# KiCad board mainboard.kicad_pcb (continued)
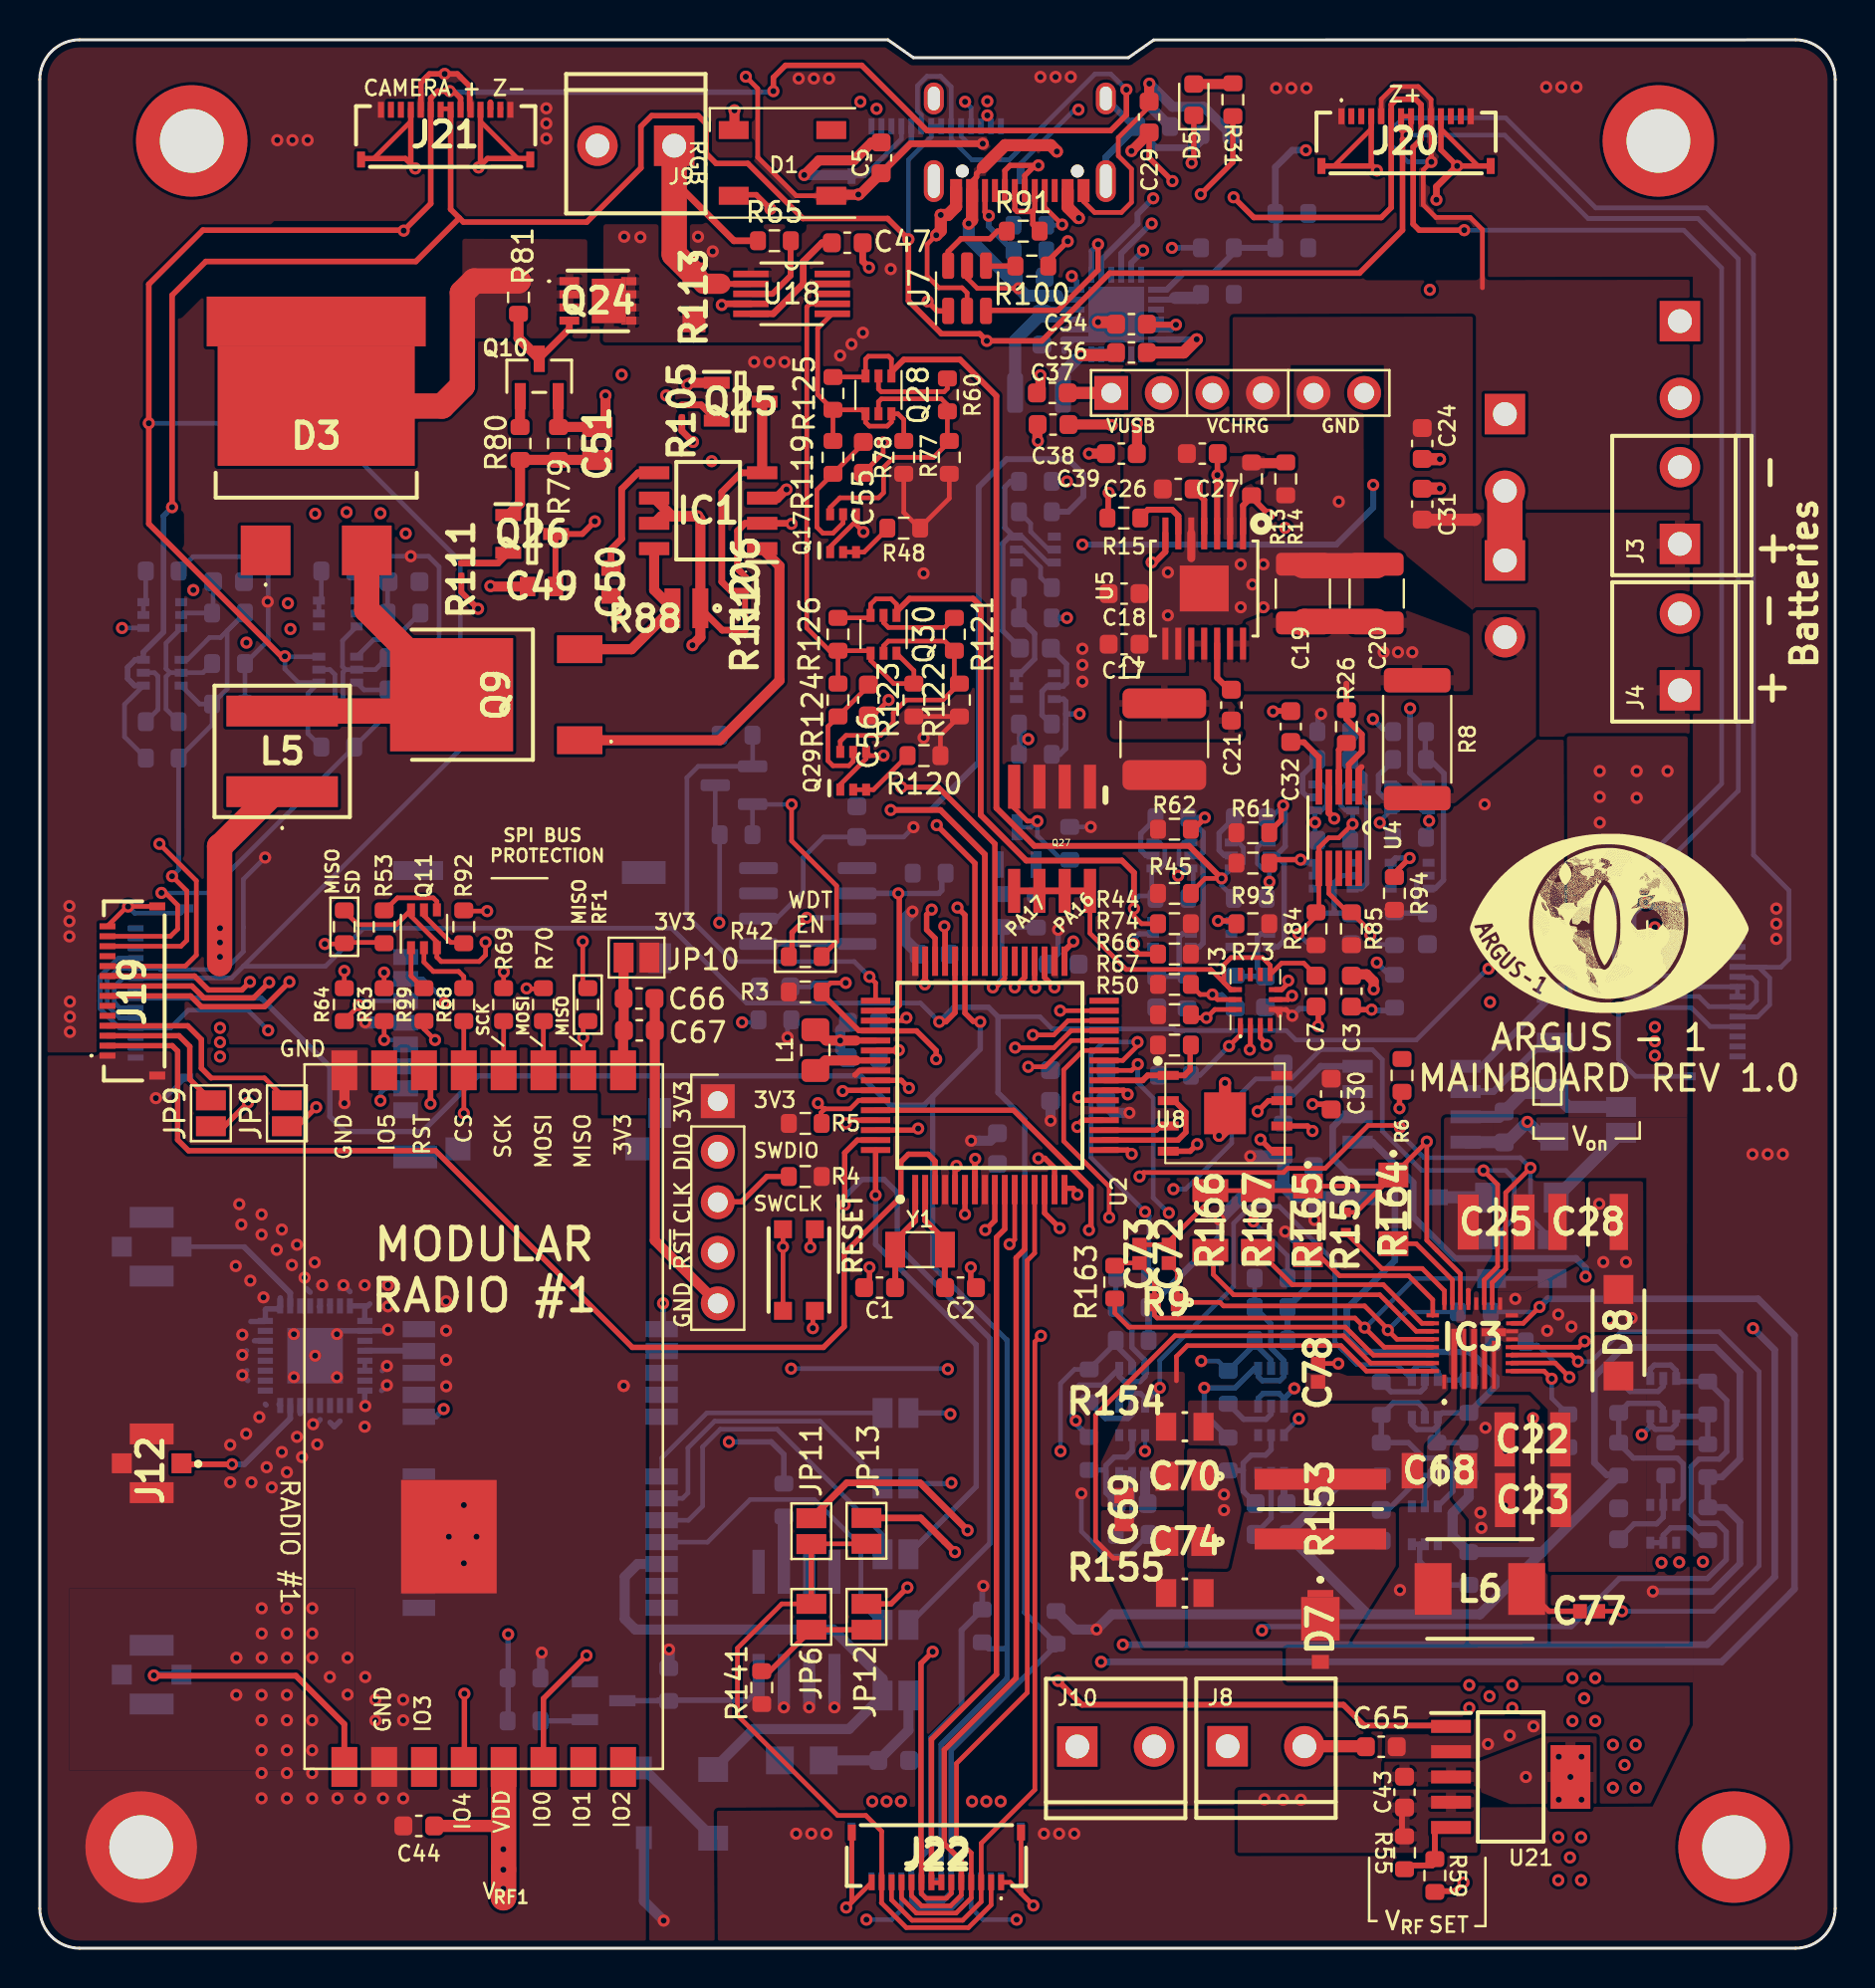
[diagram p0: board, top side]
## Placement (name value [footprint] x y rotation side) (continued)
R158  200k 1/4W  [RCC0805_e3]  75.96 34.62 270 bottom
R159  ERJ-2RKF6982X  [ERJ2RKD1004X]  65.6 36.46 270 top
R160  10K  [R_0603_1608Metric]  72.05 31.97 180 bottom
R161  10K  [R_0603_1608Metric]  76.75 26 270 bottom
R162  10K  [R_0603_1608Metric]  73.8 30.47 180 bottom
R163  10K  [R_0603_1608Metric]  53.99 33.46 90 top
R164  69.8k 1/4W  [ERA8KEB1004V]  67.98 37.12 270 top
R165  69.8k 1/4W  [ERA8KEB1004V]  63.69 36.56 270 top
R166  178k 1/4W  [RESC3216X50N]  58.79 36.56 270 top
R167  86.6k 1/4W  [RESC3216X70N]  61.18 36.56 270 top
SW1  KMR231NG LFS  [BTN_KMR2_4.6X2.8]  38.13 34.07 90 top
U1  MAX706RESA+  [SOIC-8_3.9x4.9mm_P1.27mm]  38.57 52.36 0 bottom
U2  ATSAMD51J19A-AU  [QFP50P1200X1200X120-64N]  47.71 43.85 90 top
U3  -  [BMX160]  61.05 47.66 270 top
U4  -  [ADM1176-1ARMZ-R7]  65.24 56.3 270 top
U5  TPS54226PWPRPWP14_2P31X2P46-L  [PWP14_2P31X2P46-L]  58.48 68.32 270 top
U7  USBLC6-2SC6  [SOT-23-6]  46.57 83.4 90 top
U8  MR25H40MDF  [SON127P600X500X90-9N]  59.52 41.95 0 top
U13  EP2W+  [QFN32-5X5MM]  13.83 29.77 180 bottom
U14  S1216V8  [S1216_24PIN_PACKAGE]  24.88 24.72 180 bottom
U17  BQ25883RGER  [QFN50P400X400X100-25N-D]  54.06 82.08 270 bottom
U18  -  [ADM1176-1ARMZ-R7]  37.76 83.12 0 top
U21  -  [TPS7A4501DCQT]  73.87 8.6 0 top
U23  RFM98PW  [RFM95PW]  22.79 26.71 270 top
Y1  32.768kHz  [Crystal_SMD_3215-2Pin_3.2x1.5mm]  44.21 35.1 180 top
Y2  32.768kHz/7pF  [Crystal_SMD_MicroCrystal_CC7V-T1A-2Pin_3.2x1.5mm]  76.09 46.75 270 bottom

## Library data of the parts
C1 C2 = -: Description: 8pF +-0.25pF 50V C0G 0603
C3 C5 C7 C9-C11 C21 C30 = -: Description: 0.1uF +-10% 50V X7R 0603
C4 C12 C13 C15 C27 C54 C60 C67 = -: Description: 1uF 0603 X7R
C6 C24 C29 C31-C39 C43-C45 C47 C52 C62 C63 = -: Description: Unpolarized capacitor, small symbol
C8 C40-C42 C46 C48 C55-C58 C61 C64 = -: Description: Unpolarized capacitor
C14 C16 C65 C66 = -: Description: 10uF +-20% 10V X5R
C17 C18 = -: Description: 22uF +-20% 10V X5R
C19 C20 = -: Description: 100uF 16V X5R 1210
C22 C23 = -: Description: Multilayer Ceramic Capacitors MLCC - SMD/SMT 25V 47uF X5R 1210 0.2; Height: 2.79; Manufacturer_Name: AVX; Manufacturer_Part_Number: 12103D476MAT2A; Mouser Part Number: 581-12103D476MAT2A; Mouser Price/Stock: https://www.mouser.co.uk/ProductDetail/AVX/12103D476MAT2A/?qs=%252BdQmOuGyFcHWMFj71FcIUw%3D%3D
C25 = -: Description: Multilayer Ceramic Capacitors MLCC - SMD/SMT 1.0uF 25volts X7R 10%; Arrow Part Number: VJ1210Y105KXXAT; Arrow Price/Stock: https://www.arrow.com/en/products/vj1210y105kxxat/vishay?region=nac; Height: 1.7; Manufacturer_Name: Vishay; Manufacturer_Part_Number: VJ1210Y105KXXAT; Mouser Part Number: 77-VJ1210Y105KXXAT; Mouser Price/Stock: https://www.mouser.com/Search/Refine.aspx?Keyword=77-VJ1210Y105KXXAT
C26 = -: Description: 3.3nF +-10% 100V X7R 0603
C28 = -: Description: MULTILAYER CERAMIC CHIP CAPACITORS, 3225, Commercial grade, general (Up to 75V); Arrow Part Number: C3225X7R1E106K250AC; Arrow Price/Stock: https://www.arrow.com/en/products/c3225x7r1e106k250ac/tdk?region=nac; Height: 2.3; Manufacturer_Name: TDK; Manufacturer_Part_Number: C3225X7R1E106K250AC; Mouser Part Number: 810-C3225X7R1E106K; Mouser Price/Stock: https://www.mouser.co.uk/ProductDetail/TDK/C3225X7R1E106K250AC?qs=NRhsANhppD%252BZDIBkEihAAQ%3D%3D
C49 C50 = -: Description: SMD COTS X7R, Ceramic, 0.1 uF, 10%, 25 VDC, 62.5 VDC, 125C, -55C, X7R, SMD, MLCC, COTS, Temperature Stable, Class II, 3.5 % , 5 GOhms, 4.8 mg, 0603, 1.6mm, 0.8mm, 0.8mm, 0.7mm, 0.35mm, 4000, 78  Weeks, 80; Height: 0.87; Manufacturer_Name: KEMET; Manufacturer_Part_Number: C0603T104K3RACTU; Mouser Part Number: 80-C0603T104K3R; Mouser Price/Stock: https://www.mouser.co.uk/ProductDetail/KEMET/C0603T104K3RACTU?qs=w3%252Bcv6FlocpVW%2FqNvg6pbg%3D%3D
C51 = -: Description: General Multilayer Ceramic Capacitors; Height: 1.5; Manufacturer_Name: SAMSUNG; Manufacturer_Part_Number: CL31A107MPKNNWE; Mouser Part Number: 187-CL31A107MPKNNWE; Mouser Price/Stock: https://www.mouser.co.uk/ProductDetail/Samsung-Electro-Mechanics/CL31A107MPKNNWE?qs=Jm2GQyTW%2FbiZr8a%2Fkozi8w%3D%3D
C53 C59 = -: Description: Supercapacitors / Ultracapacitors Reflow EDLC 3.3V, 11mF, 160 Ohm; Height: 1; Manufacturer_Name: Seiko Epson Corporation; Mouser Part Number: 628-CPH3225A; Mouser Price/Stock: https://www.mouser.com/Search/Refine.aspx?Keyword=628-CPH3225A
C68 = -: Description: Multilayer Ceramic Capacitors MLCC - SMD/SMT 50V 10uF X5R 1206 10% Medical; Height: 1.8; Manufacturer_Name: TAIYO YUDEN; Manufacturer_Part_Number: MLASU31LBB5106KTNA01
C69 = -: Description: Multilayer Ceramic Capacitors MLCC - SMD/SMT 10V 0.1uF X7R 0603 10%; Height: 0.87; Manufacturer_Name: KEMET; Manufacturer_Part_Number: C0603T104K8RAC7867; Mouser Part Number: 80-C0603T104K8RACTU; Mouser Price/Stock: https://www.mouser.co.uk/ProductDetail/KEMET/C0603T104K8RAC7867/?qs=u16ybLDytRacEvii9M2jow%3D%3D
C70 C74 = -: Description: SMD Comm C0G SnPb, Ceramic, 0.015 uF, 1%, 50 VDC, 125 VDC, 125C, -55C, C0G, SMD, MLCC, Ultra-Stable, Low Loss, Class I, 0.1 % , 66.6667 GOhms, 13 mg, 0805, 2mm, 1.25mm, 0.9mm, 0.75mm, 0.5mm, 4000, 78  Weeks, 120; Arrow Part Number: C0805C153F5GALTU; Arrow Price/Stock: https://www.arrow.com/en/products/c0805c153f5galtu/kemet-corporation; Height: 1.1; Manufacturer_Name: KEMET; Manufacturer_Part_Number: C0805C153F5GALTU; Mouser Part Number: 80-C0805C153F5GALTU; Mouser Price/Stock: https://www.mouser.co.uk/ProductDetail/KEMET/C0805C153F5GALTU?qs=gt1LBUVyoHmDpEx2HTgrhw%3D%3D
C72 C73 = -: Description: KYOCERA AVX - KAM05CT70J475KH - SMD Multilayer Ceramic Capacitor, 4.7 F, 6.3 V, 0402 [1005 Metric], +/- 10%, X7T; Height: 0.8; Manufacturer_Name: KYOCERA; Manufacturer_Part_Number: KAM05CT70J475KH
C77 C78 = -: Description: 10 F +/-20% 10V Ceramic Capacitor X5R 0402 (1005 Metric); Height: 0.7; Manufacturer_Name: Murata Electronics; Manufacturer_Part_Number: GRT155R61A106ME13J; Mouser Part Number: 81-GRT155R61A16ME13J; Mouser Price/Stock: https://www.mouser.co.uk/ProductDetail/Murata-Electronics/GRT155R61A106ME13J?qs=ulEaXIWI0c9RhX1WjOC5Jg%3D%3D
D1 = -: Description: RGB LED with integrated controller; Flight: WS2812B-B; Manufacturer_Name: Worldsemi; Manufacturer_Part_Number: WS2812B-B; Proto: WS2812B-B; Field8: 1
D3 = -: Description: 40V, 30A, TO-263S (D2PAK), Schottky Barrier Diode; Manufacturer_Name: ROHM Semiconductor; Mouser Part Number: 755-RB225NS-40TL; Mouser Price/Stock: https://www.mouser.co.uk/ProductDetail/ROHM-Semiconductor/RB225NS-40TL?qs=IsRgwgmxh6%2FAPCsbIbPZ2w%3D%3D
D4 D6 = -: Description: 0.5A 40V Schottky Rectifier, MBR0540T1G ON Semiconductor MBR0540T1G Schottky Diode, 0.5A, 40V, 2-Pin SOD-123; Height: 1.35; Manufacturer_Name: onsemi; Mouser Part Number: 863-MBR0540T1G; Mouser Price/Stock: https://www.mouser.co.uk/ProductDetail/onsemi/MBR0540T1G?qs=3JMERSakebqeY0cO5%252BUPCQ%3D%3D
D5 = -: Description: Light emitting diode; Flight: LTST-C190KGKT; Manufacturer_Name: Lite-On Inc.; Manufacturer_Part_Number: LTST-C190KGKT; Proto: LTST-C190KGKT
D7 = -: Description: Schottky Diodes & Rectifiers 2A, 150V, DFN3820A TRENCH SKY RECT.; Height: 0.98; Manufacturer_Name: Vishay; Manufacturer_Part_Number: V2NM153-M3/I
D8 = -: Description: Vishay 45V 5A, Diode, 2-Pin DO-221AC VSSAF5L45-M3/6A Surface Mount Trench MOS Barrier Schottky Rectifier; Arrow Part Number: VSSAF5L45-M3/6A; Arrow Price/Stock: https://www.arrow.com/en/products/vssaf5l45-m36a/vishay?region=nac; Height: 1; Manufacturer_Name: Vishay; Manufacturer_Part_Number: VSSAF5L45-M3/6A; Mouser Part Number: 78-VSSAF5L45-M3/6A; Mouser Price/Stock: https://www.mouser.co.uk/ProductDetail/Vishay-General-Semiconductor/VSSAF5L45-M3-6A?qs=Iw4yrWgHDBMXMm5U0El1GQ%3D%3D
H1-H4 = -: Description: Mounting Hole with connection; DNI: DNI
IC1 = -: Description: High-Efficiency Step-Up DC-DC Controller; Height: 1.75; Manufacturer_Name: Analog Devices; Mouser Part Number: 700-MAX1771ESA; Mouser Price/Stock: https://www.mouser.co.uk/ProductDetail/Maxim-Integrated/MAX1771ESA%2b?qs=1THa7WoU59EgQuAJ5SR28Q%3D%3D
IC2 = -: Description: NXP - PCF8523T/1,118 - REAL TIME CLOCK/CALENDAR, I2C, SOIC-8; Height: 1.75; Manufacturer_Name: NXP; Manufacturer_Part_Number: PCF8523T/1,118; Mouser Part Number: 771-PCF8523T/1118; Mouser Price/Stock: https://www.mouser.co.uk/ProductDetail/NXP-Semiconductors/PCF8523T-1118?qs=beN0Cyoe8YmmXShRMIPCwg%3D%3D
IC3 = -: Description: 25VIN, 3AOUT to 6AOUT, USB-C Buck-Boost Charger with Integrated FETs for 2S/3S Li-Ion Batteries; Arrow Price/Stock: https://www.arrow.com/en/products/max77961befv12/maxim-integrated?region=nac; Height: 0.6; Manufacturer_Name: Analog Devices; Mouser Part Number: 700-MAX77961BEFV12+; Mouser Price/Stock: https://www.mouser.co.uk/ProductDetail/Analog-Devices-Maxim-Integrated/MAX77961BEFV12%2b?qs=e8oIoAS2J1TOWSxVOtBJRw%3D%3D
J1 = -: Description: Molex microSD Card Socket; Flight: 5031821852; Manufacturer_Name: Molex; Manufacturer_Part_Number: 5031821852; Proto: 5031821852
J2 = -: Description: Generic connector, single row, 01x05, script generated (kicad-library-utils/schlib/autogen/connector/); DNI: DNI
J3 J4 J8-J10 J16-J18 = -: Description: 2-pin Screw Terminal - Side Entry; Manufacturer_Name: Phoenix Contact
J5 J6 J15 J19-J23 = -: Description: Flex Connector, P=0.50mm, H=1.00mm, Right angle orientation, Flip type, ZIF, Double contact, point 14P; Height: 1.12; Manufacturer_Name: Amphenol Communications Solutions
J7 J11 J12 = -: Description: Micro Coaxial Receptacle,Vertical Molex Female Surface Mount Coaxial Socket, Solder Termination; Manufacturer_Name: Molex; Mouser Part Number: 538-73412-0114; Mouser Price/Stock: https://www.mouser.co.uk/ProductDetail/Molex/73412-0114?qs=TpUtqFO9vU%252Ba9r2SfxH4iw%3D%3D
J13 = -: Description: USB Type-C Connector - Single sided; Flight: U262-161N-4BVC11; Manufacturer_Name: XKB Connectivity; Manufacturer_Part_Number: U262-161N-4BVC11; Proto: U262-161N-4BVC11
J14 = -: Description: Generic connector, single row, 01x06, script generated (kicad-library-utils/schlib/autogen/connector/); DNI: DNI
JP1-JP13 = -: Description: Solder Jumper, 2-pole, open
L1 = -: Description: 10uH Unshielded 0805; Flight: MGFL2012F100MT-LF; Manufacturer_Name: MicroGate; Manufacturer_Part_Number: MGFL2012F100MT-LF; Proto: MGFL2012F100MT-LF
L2 = -: Description: Inductor; Flight: SPM5030T-3R3M-HZ; Manufacturer_Name: TAI-TECH; Manufacturer_Part_Number: HPC5040NF-3R3MTH; Proto: HPC5040NF-3R3MTH
L4 = -: Description: Inductor; Flight: DFE252012F-1R0M; Manufacturer_Name: Prosperity Dielectrics; Manufacturer_Part_Number: MCS25GD-1R0MMP; Proto: MCS25GD-1R0MMP
L5 = -: Description: Power Inductors - SMD 22uH 5A 20% DCR=60.63mOhms; Height: 6; Manufacturer_Name: Pulse Electronics; Manufacturer_Part_Number: PA5432.223NLT; Mouser Part Number: 673-PA5432.223NLT; Mouser Price/Stock: https://www.mouser.co.uk/ProductDetail/Pulse-Electronics/PA5432.223NLT?qs=pUKx8fyJudD0Br41f2NXvA%3D%3D
L6 = -: Description: KEMET, MPX, Power, 1.5 uH, 20%, 155C, -55C, 0530(2120), 8.6 A, 17.7 mOhms, 45 MHz, 2500, 5.3mm, 5.5mm, 5mm, 5.2mm, 3mm, 3mm; Arrow Part Number: MPX1D0530L1R5; Arrow Price/Stock: https://www.arrow.com/en/products/mpx1d0530l1r5/kemet-corporation; Height: 3; Manufacturer_Name: KEMET; Manufacturer_Part_Number: MPX1D0530L1R5; Mouser Part Number: 80-MPX1D0530L1R5; Mouser Price/Stock: https://www.mouser.com/Search/Refine.aspx?Keyword=80-MPX1D0530L1R5
Q1 = -: Description: Single N-Channel MOSFET; Manufacturer_Name: Infineon Technologies; Manufacturer_Part_Number: IRLML2803TRPbF; Proto: 2302; Field8: REF**
Q2 Q3 Q5 Q7 Q8 Q15 Q16 Q20 Q28 Q30 Q32 Q34 Q35 Q37 = -: Description: 600mA IC, 40V Vce, Dual NPN/NPN Transistors, SOT-363; Flight: MBT2222ADW1T1G; Manufacturer_Name: ON Semiconductor; Manufacturer_Part_Number: MBT2222ADW1T1G; Proto: MBT2222ADW1T1G
Q4 Q6 Q12 Q13 Q17-Q19 Q23 Q29 Q31 Q33 Q36 = -: Description: Dual N-Channel MOSFET - 2NMOS; Manufacturer_Name: Diodes Incorporated
Q9 = -: Description: MOSFET N-CHANNEL 400V; Height: 2.52; Manufacturer_Name: Vishay; Mouser Part Number: 78-IRFR320TRPBF-BE3; Mouser Price/Stock: https://www.mouser.co.uk/ProductDetail/Vishay-Semiconductors/IRFR320TRPBF-BE3?qs=TCDPyi3sCW35%2Ff7twG6d5A%3D%3D
Q10 Q21 = -: Description: Single N-Channel MOSFET; Manufacturer_Name: Infineon Technologies; Manufacturer_Part_Number: IRLML2803TRPbF; Proto: 2302
Q11 = -: Description: 600mA IC, 60V Vce, Dual PNP/PNP Transistors, SOT-363; Flight: MMDT2907AQ-7-F; Manufacturer_Name: Diodes Incorporated; Manufacturer_Part_Number: MMDT2907AQ-7-F; Proto: MMDT2907A
Q14 = -: Description: 1.2A Id, 60V Vds, 480mOhm Rds, N-Channel HEXFET Power MOSFET, SOT-23
Q22 Q27 = -: Description: P-Channel MOSFET; Manufacturer_Name: ON Semiconductor; Proto: DMP2022LSS-13
Q24 = -: Description: Automotive P-Channel 40 V (D-S) 175 C MOSFET; Height: 1.12; Manufacturer_Name: Vishay; Mouser Part Number: 78-SQS141ELNW-T1_GE3; Mouser Price/Stock: https://www.mouser.co.uk/ProductDetail/Vishay-Semiconductors/SQS141ELNW-T1_GE3?qs=t7xnP681wgUUJh1P9XVDHQ%3D%3D
Q25 Q26 = -: Description: Bipolar Transistors - BJT TRANS GP BJT NPN 6V 0.05A 3PIN; Height: 1.3; Manufacturer_Name: ROHM Semiconductor; Mouser Part Number: 755-2SC4713KT146R; Mouser Price/Stock: https://www.mouser.co.uk/ProductDetail/ROHM-Semiconductor/2SC4713KT146R?qs=IsRgwgmxh69T12rcC0HTuA%3D%3D
R1-R4 R25-R40 R42-R78 R82-R87 R89-R96 R99 R100 R102 R103 R107 R110 R119-R124 R127-R135 R138-R148 R160-R163 = -: Description: Resistor, US symbol
R5 R7 R41 = -: Description: 10k 0603
R6 = -: Description: 4.7k 0603
R8 = -: Description: 0.1 1% 2W 2512
R9 = -: Description: Anti-Sulfurated Thick Film Chip Resistors/ Anti-Surge Type, Power Rating (W): 0.25, Chip Size (LxW(EIA)) (mm): 1.6 x 0.8 (EIA:0603), Resistance Values (?): 4.7, Resistance Tolerance (%): 5, T.C.R (?102/K): ?200; Height: 0.55; Manufacturer_Name: Panasonic; Mouser Part Number: 667-ERJ-UP3J4R7V; Mouser Price/Stock: https://www.mouser.co.uk/ProductDetail/Panasonic/ERJ-UP3J4R7V/?qs=GedFDFLaBXEklpmoZH%252BTrg%3D%3D
R13 = -: Description: 73.2K 0603
R14 = -: Description: 22.1K 0603
R15 = -: Description: 100K 0603
R21 R24 R79 R114 = -: Description: 10K 0603
R22 R80 R115 = -: Description: 4.7K 0603
R23 R81 R116 = -: Description: 3.3K 0603
R88 = -: Description: High Power Chip Resistor (Wide Terminal type), 0508; Height: 0.6; Manufacturer_Name: Panasonic; Manufacturer_Part_Number: ERJ-B3CFR02V; Mouser Part Number: 667-ERJ-B3CFR02V; Mouser Price/Stock: https://www.mouser.com/Search/Refine.aspx?Keyword=667-ERJ-B3CFR02V
R97 R98 R101 R104 R108 R109 R117 R118 R125 R126 R149-R152 = -: Description: Resistor, US symbol; DNI: DNI
R105 R111 = -: Description: Series/Type: Precision Thick Film Chip Resistors, Power Rating (W): 0.05, Chip Size (LxW(EIA)) (mm): 0.6 x 0.3 (EIA:0201), Resistance Values (): 1000, Resistance Tolerance (%): 1, T.C.R (10/K): +/-200; Height: 0.26; Manufacturer_Name: Panasonic; Manufacturer_Part_Number: ERJ-1GJF1001C; Mouser Part Number: 667-ERJ-1GJF1001C; Mouser Price/Stock: https://www.mouser.co.uk/ProductDetail/Panasonic/ERJ-1GJF1001C?qs=OcgtsXO%252B3guJUjvXwXq4eA%3D%3D
R106 = -: Description: Series/Type: Precision Thick Film Chip Resistors, Power Rating (W): 0.05, Chip Size (LxW(EIA)) (mm): 0.6 x 0.3 (EIA:0201), Resistance Values (): 10000, Resistance Tolerance (%): 1, T.C.R (10/K): +/-200; Height: 0.26; Manufacturer_Name: Panasonic; Manufacturer_Part_Number: ERJ-1GJF1002C; Mouser Part Number: 667-ERJ-1GJF1002C; Mouser Price/Stock: https://www.mouser.co.uk/ProductDetail/Panasonic/ERJ-1GJF1002C?qs=OcgtsXO%252B3gveAYGlL%2Fftlw%3D%3D
R112 = -: Description: Series/Type: Thick Film Chip Resistors, Power Rating (W): -, 0.6 x 0.3 (EIA:0201), Resistance Values (): 0, Resistance Tolerance (%): -, T.C.R (10/K): -; DNI: DNI; Height: 0.26; Manufacturer_Name: Panasonic; Manufacturer_Part_Number: ERJ-1GJ0R00C; Mouser Part Number: 667-ERJ-1GJ0R00C; Mouser Price/Stock: https://www.mouser.co.uk/ProductDetail/Panasonic/ERJ-1GJ0R00C?qs=OcgtsXO%252B3gsHTMloWTpOqQ%3D%3D
R113 = -: Description: Panasonic ERJ6BW Series Thick Film Current Sensing Surface Mount Resistor 0805 Case 0.082 +/-1% 0.5W +/-200ppm/C; Manufacturer_Name: Panasonic; Manufacturer_Part_Number: ERJ-6BWFR082V; Mouser Part Number: 667-ERJ-6BWFR082V; Mouser Price/Stock: https://www.mouser.com/Search/Refine.aspx?Keyword=667-ERJ-6BWFR082V
R136 R137 = -: Description: Series/Type: Thin Film Chip Resistors, High Stability and Reliability Type, Power Rating (W): 0.25, Chip Size (LxW(EIA)) (mm): 3.2 x 1.6 (EIA:1206), Resistance Values (): 150, Resistance Tolerance (%): 0.1, T.C.R (10/K): +/-25; Height: 0.65; Manufacturer_Name: Panasonic
R153 = -: Description: Thick Film Resistors - SMD AECQ; Height: 0.7; Manufacturer_Name: ROHM Semiconductor; Manufacturer_Part_Number: LTR100LJZPFU10L0; Mouser Part Number: 755-LTR100LJZPFU10L0; Mouser Price/Stock: https://www.mouser.co.uk/ProductDetail/ROHM-Semiconductor/LTR100LJZPFU10L0?qs=A6eO%252BMLsxmSV3NnNZrRN6Q%3D%3D
R154 R155 = -: Description: RESISTOR, 0805 10 Ohm +/- 1% 0.25 W; Manufacturer_Name: Susumu; Manufacturer_Part_Number: RL1220S-100-F; Mouser Part Number: 754-RL1220S-100-F; Mouser Price/Stock: https://www.mouser.com/Search/Refine.aspx?Keyword=754-RL1220S-100-F
R157 R158 = -: Description: Medium Power Thick Film Chip Resistor, AEC-Q200, 0805; Height: 0.5; Manufacturer_Name: Vishay; Manufacturer_Part_Number: RCC0805200KFKEA; Mouser Part Number: 71-RCC0805200KFKEA; Mouser Price/Stock: https://www.mouser.co.uk/ProductDetail/Vishay-Dale/RCC0805200KFKEA?qs=GedFDFLaBXEj3YenGPhGGQ%3D%3D
R159 = -: Description: Panasonic Thick Film Resistor 69.8k 0.1W +/-100ppm/C; Arrow Price/Stock: https://www.arrow.com/en/products/erj-2rkf6982x/panasonic; Height: 0.4; Manufacturer_Name: Panasonic; Mouser Part Number: 667-ERJ-2RKF6982X; Mouser Price/Stock: https://www.mouser.co.uk/ProductDetail/Panasonic/ERJ-2RKF6982X?qs=YMBIwoNQYdWbeJt2ePn4aw%3D%3D
R164 R165 = -: Description: Series/Type: Thin Film Chip Resistors, High Stability and Reliability Type, Power Rating (W): 0.25, Chip Size (LxW(EIA)) (mm): 3.2 x 1.6 (EIA:1206), Resistance Values (): 69800, Resistance Tolerance (%): 0.05, T.C.R (10/K): +/-10; Height: 0.65; Manufacturer_Name: Panasonic; Manufacturer_Part_Number: ERA-8VRW6982V
R166 = -: Description: Thin Film Resistors - SMD 1/4W 178K Ohms 0.5% 1206 10ppm; Height: 0.5; Manufacturer_Name: Susumu; Manufacturer_Part_Number: RG3216N-1783-D-T5
R167 = -: Description: Metal Thin Film Chip Resistor, 1206, 0.25W; Height: 0.7; Manufacturer_Name: Panasonic; Manufacturer_Part_Number: ERA-8ARB8662V
SW1 = -: Description: Tactile Switch SPST-NO; Manufacturer_Name: C&K
U2 = -: Description: Microcontroller; Manufacturer_Name: Microchip Technology
U3 = -: Description: IMUs - Inertial Measurement Units 9-axis (9DOF) Absolute Orientation MEMS Sensor; Manufacturer_Name: Bosch Sensortec
U4 U18 = -: Description: Power Monitor; Manufacturer_Name: Analog Devices Inc.
U5 = -: Description: 3.3V Switching Regulator; Flight: TPS54226PWPR; Manufacturer_Name: Texas Instruments; Manufacturer_Part_Number: TPS54226PWPR; Proto: TPS54226PWPR; Field8: >Name
U7 = -: Description: Very low capacitance ESD protection diode, 2 data-line, SOT-23-6
U8 = -: Description: Non-Volatile Memory; Manufacturer_Name: Everspin Technologies Inc.; Manufacturer_Part_Number: W25Q80DVSNIG; Proto: W25Q80DVSNIG
U13 = -: Description: RF Splitter DC-Pass; DNI: DNI; Manufacturer_Name: Mini Circuits
U14 = -: Field4: >Name
U17 = -: Description: Battery Charger - USB Power Delivery; Manufacturer_Name: Texas Instruments
U21 = -: Description: Adjustable LDO; Manufacturer_Name: Texas Instruments
U23 = -: Description: 433 MHz 1W Radio; Manufacturer_Name: HopeRF; Field8: RADIO 2
Y1 = -: Description: Two pin crystal; Flight: ABS07-32.768KHZ-T; Manufacturer_Name: Abracon LLC; Manufacturer_Part_Number: SC-32S32.768kHz20PPM7pF; Proto: SC-32S32.768kHz20PPM7pF
Y2 = -: Description: Two pin crystal, small symbol

## Footprints (pads in the part's own frame, mm; a bottom-side part is the same pattern mirrored in y, then rotated)
73412-0110
  rect 1x1 smd: 1(0,-1.5) 2(0,1.5)
  rect 1.05x2.2 smd: 3(-1.475,0) 4(1.475,0)
ADM1176-1ARMZ-R7
  rect 1.778x0.33 smd: 1(-2.045,1) 2(-2.045,0.5) 3(-2.045,0) 4(-2.045,-0.5) 5(-2.045,-1) 6(2.045,-1) 7(2.045,-0.5) 8(2.045,0) 9(2.045,0.5) 10(2.045,1)
BMX160
  rect 0.675x0.25 smd: 1(1.262,-0.75) 2(1.262,-0.25) 3(1.262,0.25) 4(1.262,0.75) 8(-1.262,0.75) 9(-1.262,0.25) 10(-1.262,-0.25) 11(-1.262,-0.75)
  rect 0.25x0.675 smd: 5(0.5,1.012) 6(0,1.012) 7(-0.5,1.012) 12(-0.5,-1.012) 13(0,-1.012) 14(0.5,-1.012)
BSS138DWQ-7
  rect 0.6x0.4 smd: 1(-0.95,0.65) 2(-0.95,0) 3(-0.95,-0.65) 4(0.95,-0.65) 5(0.95,0) 6(0.95,0.65)
BTN_KMR2_4.6X2.8
  rect 0.9x0.9 smd: A(2.05,0.8) A'(-2.05,0.8) B(2.05,-0.8) B'(-2.05,-0.8)
C0805
  rect 1.15x1.45 smd: 1(-0.9,0) 2(0.9,0)
C_0603_1608Metric
  rrect 0.9x0.95 smd: 1(-0.775,0) 2(0.775,0)
C_1210_3225Metric
  rrect 1.15x2.7 smd: 1(-1.475,0) 2(1.475,0)
CAPC1005X70N
  rect 0.69x0.72 smd: 1(-0.46,0) 2(0.46,0)
CAPC1005X80N
  rect 0.69x0.72 smd: 1(-0.46,0) 2(0.46,0)
CAPC1608X87N
  rect 0.78x0.98 smd: 1(-0.7,0) 2(0.7,0)
CAPC2012X150N
  rect 1.01x1.52 smd: 1(-0.83,0) 2(0.83,0)
CAPC3216X180N
  rect 1.07x1.78 smd: 1(-1.36,0) 2(1.36,0)
CAPC3225X170N
  rect 1.06x2.77 smd: 1(-1.4,0) 2(1.4,0)
CAPC3225X230N
  rect 0.92x2.82 smd: 1(-1.54,0) 2(1.54,0)
CAPC3225X279N
  rect 1.02x2.72 smd: 1(-1.4,0) 2(1.4,0)
CPH3225A
  rect 1.4x1.4 smd: 1(-0.8,0.3) 2(1.4,0.3)
Crystal_SMD_3215-2Pin_3.2x1.5mm
  rect 1x1.8 smd: 1(1.25,0) 2(-1.25,0)
Crystal_SMD_MicroCrystal_CC7V-T1A-2Pin_3.2x1.5mm
  rect 1x1.8 smd: 1(-1.25,0) 2(1.25,0)
ERA8KEB1004V
  rect 1.25x1.5 smd: 1(-1.725,0) 2(1.725,0)
ERJ1GJJ2R4C
  rect 0.275x0.3 smd: 1(-0.313,0) 2(0.313,0)
ERJ2RKD1004X
  rect 0.475x0.5 smd: 1(-0.512,0) 2(0.512,0)
ERJ6_B_BW_R_LW_CW_D
  rect 1.15x1.15 smd: 1(-1.175,0) 2(1.175,0)
ERJB30508
  rect 0.8x2 smd: 1(-0.7,0) 2(0.7,0)
ERJUP3
  rect 0.65x0.9 smd: 1(-0.575,0) 2(0.575,0)
F3311A7H121014E200
  rect 0.3x0.8 smd: 1(-3.25,1.345) 2(-2.75,1.345) 3(-2.25,1.345) 4(-1.75,1.345) 5(-1.25,1.345) 6(-0.75,1.345) 7(-0.25,1.345) 8(0.25,1.345) 9(0.75,1.345) 10(1.25,1.345) 11(1.75,1.345) 12(2.25,1.345) 13(2.75,1.345) 14(3.25,1.345)
  rect 0.4x0.8 smd: MP1(-4.25,-1.155) MP2(4.25,-1.155)
INDPM5350X300N
  rect 1.85x2.6 smd: 1(-2.35,0) 2(2.35,0)
IRFR320TRPBFBE3
  rect 1.397x2.286 smd: 1(-2.286,-4.192) 3(2.286,-4.192)
  rect 5.69x6.18 smd: 2(0,2.243)
L_0805_2012Metric_Pad1.15x1.40mm_HandSolder
  rrect 1.15x1.4 smd: 1(-1.025,0) 2(1.025,0)
L_2141
  rrect 1.5x4.2 smd: 1(-1.8,0) 2(1.8,0)
L_2510
  rrect 0.8x2 smd: 1(-1.2,0) 2(1.2,0)
LED_0603_1608Metric
  rrect 0.875x0.95 smd: 1(-0.787,0) 2(0.787,0)
LED_WS2812B_PLCC4_5.0x5.0mm_P3.2mm
  rect 1.5x0.9 smd: 1(-2.45,1.65) 2(-2.45,-1.65) 3(2.45,-1.65) 4(2.45,1.65)
MAX77961EFV06T
  rect 0.2x0.723 smd: 1(1.411,1.938)
  rect 0.3x3.025 smd: 2(0.911,0.788) 4(-0.089,0.787)
  rect 0.2x3.025 smd: 3(0.411,0.788)
  rect 0.25x2.025 smd: 5(-0.614,1.287)
  rect 0.2x2.425 smd: 6(-1.089,1.087)
  rect 0.625x0.2 smd: 7(-1.987,1.4) 8(-1.987,1) 9(-1.987,0.6) 10(-1.987,0.2) 14(-1.987,-1.4) 23(1.987,-1.4) 24(1.987,-1) 25(1.987,-0.6) 26(1.987,-0.2) 27(1.987,0.2) 28(1.987,0.6) 29(1.987,1) 30(1.987,1.4)
  rect 0.6x0.2 smd: 11(-2,-0.2) 13(-2,-1)
  rect 0.613x0.2 smd: 12(-1.993,-0.6)
  rect 0.2x0.625 smd: 15(-1.399,-1.988) 16(-0.999,-1.988) 17(-0.599,-1.988) 18(-0.199,-1.988) 19(0.201,-1.988) 20(0.601,-1.988) 21(1.001,-1.988) 22(1.401,-1.988)
  rect 1.222x0.4 smd: 31(-1.076,-0.55)
MOLEX_503182-1852
  rect 0.8x1.24 smd: 1(-2.9,6.355) 2(-1.8,6.355) 3(-0.7,6.355) 4(0.4,6.355) 5(1.5,6.355) 6(2.6,6.355) 7(3.7,6.355) 8(4.8,6.355)
  rect 1.16x1.2 smd: DT(6.74,-5.275)
  rect 0.95x2.5 smd: P1(-7.245,5.725)
  rect 1.15x2.2 smd: P2(7.145,5.875) P3(-7.145,-5.605)
  rect 1.5x1.15 smd: P4(-2.84,-6.4) P5(4.94,-6.4)
  rect 1.16x1.25 smd: SW(6.74,3.725)
MountingHole_3.2mm_M3_DIN965_Pad
  round 5.6 hole 3.2: 1(0,0)
NDS8434
  rect 0.61x2.21 smd: 1(-1.905,-2.616) 2(-0.635,-2.616) 3(0.635,-2.616) 4(1.905,-2.616) 5(1.905,2.616) 6(0.635,2.616) 7(-0.635,2.616) 8(-1.905,2.616)
PA5432223NLT
  rect 5.6x1.55 smd: 1(0,-2.025) 2(0,2.025)
PinHeader_1x05_P2.54mm_Vertical
  rect 1.7x1.7 hole 1: 1(0,0)
  oval 1.7x1.7 hole 1: 2(0,-2.54) 3(0,-5.08) 4(0,-7.62) 5(0,-10.16)
PinHeader_1x06_P2.54mm_Vertical
  rect 1.7x1.7 hole 1: 1(0,0)
  oval 1.7x1.7 hole 1: 2(0,-2.54) 3(0,-5.08) 4(0,-7.62) 5(0,-10.16) 6(0,-12.7)
PWP14_2P31X2P46-L
  rect 1.6x0.305 smd: 1(-2.769,1.95) 2(-2.769,1.3) 3(-2.769,0.65) 4(-2.769,0) 5(-2.769,-0.65) 6(-2.769,-1.3) 7(-2.769,-1.95) 8(2.769,-1.95) 9(2.769,-1.3) 10(2.769,-0.65) 11(2.769,0) 12(2.769,0.65) 13(2.769,1.3) 14(2.769,1.95)
  rect 2.31x2.46 smd: 15(0,0)
QFN32-5X5MM
  rect 0.762x0.305 smd: 1(-2.5,1.75) 2(-2.5,1.25) 3(-2.5,0.75) 4(-2.5,0.25) 5(-2.5,-0.25) 6(-2.5,-0.75) 7(-2.5,-1.25) 8(-2.5,-1.75) 17(2.5,-1.75) 18(2.5,-1.25) 19(2.5,-0.75) 20(2.5,-0.25) 21(2.5,0.25) 22(2.5,0.75) 23(2.5,1.25) 24(2.5,1.75)
  rect 0.305x0.762 smd: 9(-1.75,-2.5) 10(-1.25,-2.5) 11(-0.75,-2.5) 12(-0.25,-2.5) 13(0.25,-2.5) 14(0.75,-2.5) 15(1.25,-2.5) 16(1.75,-2.5) 25(1.75,2.5) 26(1.25,2.5) 27(0.75,2.5) 28(0.25,2.5) 29(-0.25,2.5) 30(-0.75,2.5) 31(-1.25,2.5) 32(-1.75,2.5)
  rect 2.794x2.794 smd: EP(0,0)
QFN50P400X400X100-25N-D
  rect 0.8x0.3 smd: 1(-2,1.25) 2(-2,0.75) 3(-2,0.25) 4(-2,-0.25) 5(-2,-0.75) 6(-2,-1.25) 13(2,-1.25) 14(2,-0.75) 15(2,-0.25) 16(2,0.25) 17(2,0.75) 18(2,1.25)
  rect 0.3x0.8 smd: 7(-1.25,-2) 8(-0.75,-2) 9(-0.25,-2) 10(0.25,-2) 11(0.75,-2) 12(1.25,-2) 19(1.25,2) 20(0.75,2) 21(0.25,2) 22(-0.25,2) 23(-0.75,2) 24(-1.25,2)
  rect 2.8x2.8 smd: 25(0,0)
QFP50P1200X1200X120-64N
  rect 1.475x0.3 smd: 1(-5.738,3.75) 2(-5.738,3.25) 3(-5.738,2.75) 4(-5.738,2.25) 5(-5.738,1.75) 6(-5.738,1.25) 7(-5.738,0.75) 8(-5.738,0.25) 9(-5.738,-0.25) 10(-5.738,-0.75) 11(-5.738,-1.25) 12(-5.738,-1.75) 13(-5.738,-2.25) 14(-5.738,-2.75) 15(-5.738,-3.25) 16(-5.738,-3.75) 33(5.738,-3.75) 34(5.738,-3.25) 35(5.738,-2.75) 36(5.738,-2.25) 37(5.738,-1.75) 38(5.738,-1.25) 39(5.738,-0.75) 40(5.738,-0.25) 41(5.738,0.25) 42(5.738,0.75) 43(5.738,1.25) 44(5.738,1.75) 45(5.738,2.25) 46(5.738,2.75) 47(5.738,3.25) 48(5.738,3.75)
  rect 0.3x1.475 smd: 17(-3.75,-5.738) 18(-3.25,-5.738) 19(-2.75,-5.738) 20(-2.25,-5.738) 21(-1.75,-5.738) 22(-1.25,-5.738) 23(-0.75,-5.738) 24(-0.25,-5.738) 25(0.25,-5.738) 26(0.75,-5.738) 27(1.25,-5.738) 28(1.75,-5.738) 29(2.25,-5.738) 30(2.75,-5.738) 31(3.25,-5.738) 32(3.75,-5.738) 49(3.75,5.738) 50(3.25,5.738) 51(2.75,5.738) 52(2.25,5.738) 53(1.75,5.738) 54(1.25,5.738) 55(0.75,5.738) 56(0.25,5.738) 57(-0.25,5.738) 58(-0.75,5.738) 59(-1.25,5.738) 60(-1.75,5.738) 61(-2.25,5.738) 62(-2.75,5.738) 63(-3.25,5.738) 64(-3.75,5.738)
R_0603_1608Metric
  rrect 0.8x0.95 smd: 1(-0.825,0) 2(0.825,0)
R_2512_6332Metric
  rrect 1.225x3.35 smd: 1(-2.962,0) 2(2.962,0)
RCC0805_e3
  rect 0.95x1.45 smd: 1(-0.975,0) 2(0.975,0)
RESC2013X65N
  rect 1.016x1.397 smd: 1(-0.94,0) 2(0.94,0)
RESC3216X50N
  rect 1.15x1.8 smd: 1(-1.5,0) 2(1.5,0)
RESC3216X70N
  rect 1.15x1.7 smd: 1(-1.5,0) 2(1.5,0)
RESC3264X70N
  rect 1.05x6.6 smd: 1(-1.5,0) 2(1.5,0)
RFM95PW
  rect 2x1.3 smd: 1(17.6,-7.5) 2(17.6,-5.5) 3(17.6,-3.5) 4(17.6,-1.5) 5(17.6,0.5) 6(17.6,2.5) 7(17.6,4.5) 8(17.6,6.5) 9(-17.4,6.5) 10(-17.4,4.5) 11(-17.4,2.5) 12(-17.4,0.5) 13(-17.4,-1.5) 14(-17.4,-3.5) 15(-17.4,-5.5) 16(-17.4,-7.5)
  rect 5.7x4.8 smd: 17(6.032,-2.25)
RFN10NS3STL
  rect 2.5x2.5 smd: 1(-2.54,-5.825) 3(2.54,-5.825)
  rect 11x2.5 smd: 2(0,5.675)
  rect 9.9x6 smd: 4(0,1.425)
S1216_24PIN_PACKAGE
  rect 1.626x0.813 smd: 1(5.85,-7.62) 2(5.85,-6.52) 3(5.85,-5.42) 4(5.85,-4.32) 5(5.85,-3.22) 6(5.85,-2.12) 7(5.85,-1.02) 8(5.85,1.98) 9(5.85,3.08) 10(5.85,4.18) 11(5.85,5.28) 12(5.85,6.38) 13(-6.35,6.38) 14(-6.35,5.28) 15(-6.35,4.18) 16(-6.35,3.08) 17(-6.35,1.98) 18(-6.35,-1.02) 19(-6.35,-2.12) 20(-6.35,-3.22) 21(-6.35,-4.32) 22(-6.35,-5.42) 23(-6.35,-6.52) 24(-6.35,-7.62)
SCREWTERMINAL-3.5MM-2_LOCK
  rect 2.032x2.032 hole 1.2: 1(-0.178,0)
  round 2.032 hole 1.2: 2(3.678,0)
SE20NJM3H
  rect 2.2x1.93 smd: 1(-0.53,0)
  rect 0.7x0.86 smd: 2(1.63,0)
  rect 0.35x1.3 smd: 3(-1.805,0)
SOD3716X135N
  rect 1.15x0.8 smd: 1(-1.75,0) 2(1.75,0)
SODFL5226X100N
  rect 1.45x1.49 smd: 1(-2.175,0) 2(2.175,0)
SOIC127P600X175-8N
  rect 1.525x0.65 smd: 1(-2.712,1.905) 2(-2.712,0.635) 3(-2.712,-0.635) 4(-2.712,-1.905) 5(2.712,-1.905) 6(2.712,-0.635) 7(2.712,0.635) 8(2.712,1.905)
SOIC-8_3.9x4.9mm_P1.27mm
  rrect 1.95x0.6 smd: 1(-2.475,1.905) 2(-2.475,0.635) 3(-2.475,-0.635) 4(-2.475,-1.905) 5(2.475,-1.905) 6(2.475,-0.635) 7(2.475,0.635) 8(2.475,1.905)
SolderJumper-2_P1.3mm_Open_Pad1.0x1.5mm
  rect 1x1.5 smd: 1(-0.65,0) 2(0.65,0)
SON127P600X500X90-9N
  rect 1.05x0.45 smd: 1(-2.85,1.905) 2(-2.85,0.635) 3(-2.85,-0.635) 4(-2.85,-1.905) 5(2.85,-1.905) 6(2.85,-0.635) 7(2.85,0.635) 8(2.85,1.905)
  rect 2.1x2.1 smd: 9(0,0)
SOT95P280X130-3N
  rect 1.3x0.6 smd: 1(-1.2,0.95) 2(-1.2,-0.95) 3(1.2,0)
SOT-23
  rect 0.559x1.321 smd: 1(-0.953,-1.003) 2(0.953,-1.003) 3(0,0.876)
SOT-23#2
  rrect 1.475x0.6 smd: 1(-0.938,0.95) 2(-0.938,-0.95) 3(0.938,0)
SOT-23-6
  rrect 1.325x0.6 smd: 1(-1.137,0.95) 2(-1.137,0) 3(-1.137,-0.95) 4(1.137,-0.95) 5(1.137,0) 6(1.137,0.95)
SOT-363_SC-70-6
  rect 0.65x0.4 smd: 1(-0.95,0.65) 2(-0.95,0) 3(-0.95,-0.65) 4(0.95,-0.65) 5(0.95,0) 6(0.95,0.65)
SQS850ENT1_GE3
  rect 0.99x0.405 smd: 1(-1.435,0.99) 2(-1.435,0.33) 3(-1.435,-0.33) 4(-1.435,-0.99)
  rect 0.51x0.405 smd: 5(1.675,-0.99) 6(1.675,-0.33) 7(1.675,0.33) 8(1.675,0.99)
  rect 1.725x2.235 smd: 9(0.557,0)
  rect 0.25x0.077 smd: 10(1.295,-1.156) 11(1.295,1.156)
TPS7A4501DCQT
  rect 2x0.65 smd: 1(-3,2.54) 2(-3,1.27) 3(-3,0) 4(-3,-1.27) 5(-3,-2.54)
  rect 2x3.2 smd: 6(3,0)
USB_C_Receptacle_XKB_U262-161N-4BVC11
  round 0.65 hole 0.65 unplated: (-2.39,4.045) (3.39,4.045)
  rect 0.6x1.15 smd: A1(-2.7,5.02) A4(-1.9,5.02) A9(2.9,5.02) A12(3.7,5.02)
  rect 0.3x1.15 smd: A5(-0.75,5.02) A6(0.25,5.02) A7(0.75,5.02) A8(1.75,5.02) B5(2.25,5.02) B6(1.25,5.02) B7(-0.25,5.02) B8(-1.25,5.02)
  oval 1x2.1 hole 0.6x1.7: S1(-3.82,4.545) S1(4.82,4.545)
  oval 1x1.6 hole 0.6x1.2: S1(-3.82,0.395) S1(4.82,0.395)

## Nets
3.3V: C5.1 C9.2 C10.1 C11.1 C13.1 C15.1 C16.1 C17.2 C18.2 C30.1 C45.1 C52.2 D1.1 D4.2 D6.2 J1.4 J2.1 J5.5 J5.10 J6.5 J6.10 J15.5 J15.10 J20.5 J20.10 J21.5 J21.10 J23.5 J23.10 JP10.1 L2.2 Q22.1 Q22.2 Q22.3 Q27.1 Q27.2 Q27.3 R3.1 R4.1 R5.1 R13.2 R23.1 R25.1 R28.1 R32.1 R37.1 R43.1 R44.1 R45.1 R48.1 R50.2 R51.2 R54.1 R56.1 R57.1 R61.1 R62.1 R66.1 R67.1 R73.1 R74.1 R77.1 R78.1 R82.1 R83.1 R84.1 R85.1 R93.1 R94.1 R103.2 R107.1 R116.1 R120.1 R122.1 R123.1 R128.1 R129.1 R131.1 R133.1 R134.1 R138.1 R140.1 R141.1 R142.1 R144.1 R146.1 R147.1 U1.2 U2.4 U2.8 U2.21 U2.34 U2.48 U2.56 U3.5 U5.1 U8.8 U18.9
/Power/3V3_EN: Q2.6 R29.2 U5.7
GND: C1.2 C2.2 C3.2 C4.1 C5.2 C7.2 C8.2 C9.1 C10.2 C11.2 C12.1 C13.2 C14.2 C15.2 C16.2 C17.1 C18.1 C19.2 C20.2 C22.1 C23.1 C25.1 C26.2 C27.2 C28.1 C30.2 C32.1 C40.2 C41.2 C42.2 C43.1 C44.1 C45.2 C46.2 C47.1 C48.2 C49.1 C50.1 C51.1 C52.1 C53.2 C54.1 C55.2 C56.2 C57.2 C58.2 C59.2 C60.1 C61.2 C63.1 C64.2 C65.1 C66.2 C67.1 C68.1 C70.1 C72.2 C73.2 C74.1 D1.3 H1.1 H2.1 H3.1 H4.1 IC1.3 IC1.6 IC1.7 IC2.4 IC3.4 IC3.10 IC3.14 IC3.15 IC3.18 IC3.20 J1.6 J1.P1 J1.P2 J1.P3 J1.P4 J1.P5 J2.5 J5.4 J5.11 J5.MP1 J5.MP2 J6.4 J6.11 J6.MP1 J6.MP2 J7.2 J7.3 J7.4 J8.1 J8.2 J9.2 J11.2 J11.3 J11.4 J12.2 J12.3 J12.4 J14.5 J15.4 J15.11 J15.MP1 J15.MP2 J18.2 J19.1 J19.14 J19.MP1 J19.MP2 J20.4 J20.11 J20.MP1 J20.MP2 J21.4 J21.11 J21.MP1 J21.MP2 J22.1 J22.14 J22.MP1 J22.MP2 J23.4 J23.11 J23.MP1 J23.MP2 Q1.2 Q2.1 Q2.4 Q3.1 Q3.4 Q4.1 Q4.4 Q6.1 Q6.4 Q10.2 Q12.1 Q12.4 Q13.1 Q13.4 Q17.1 Q17.4 Q18.1 Q18.4 Q19.1 Q19.4 Q21.2 Q23.1 Q23.4 Q25.1 Q29.1 Q29.4 Q31.1 Q31.4 Q33.1 Q33.4 Q36.1 Q36.4 R2.1 R7.1 R14.1 R21.2 R41.2 R59.2 R79.2 R88.1 R90.2 R112.1 R114.2 R159.1 R161.2 R162.2 R164.1 R165.1 R166.1 R167.1 SW1.B SW1.B' U1.3 U1.4 U2.7 U2.22 U2.33 U2.47 U2.54 U3.2 U3.3 U3.6 U3.7 U4.4 U5.5 U5.8 U5.9 U5.15 U8.4 U8.9 U13.1 U13.2 U13.3 U13.5 U13.6 U13.7 U13.8 U13.9 U13.10 U13.11 U13.12 U13.13 U13.14 U13.16 U13.17 U13.18 U13.19 U13.20 U13.21 U13.22 U13.23 U13.24 U13.25 U13.27 U13.28 U13.29 U13.30 U13.31 U13.32 U13.EP U14.10 U14.12 U14.13 U14.24 U18.4 U21.3 U21.6 U23.2 U23.16 U23.17
